# Altium PCB miniBackplane.PcbDoc (part 7 of 24) (continued)
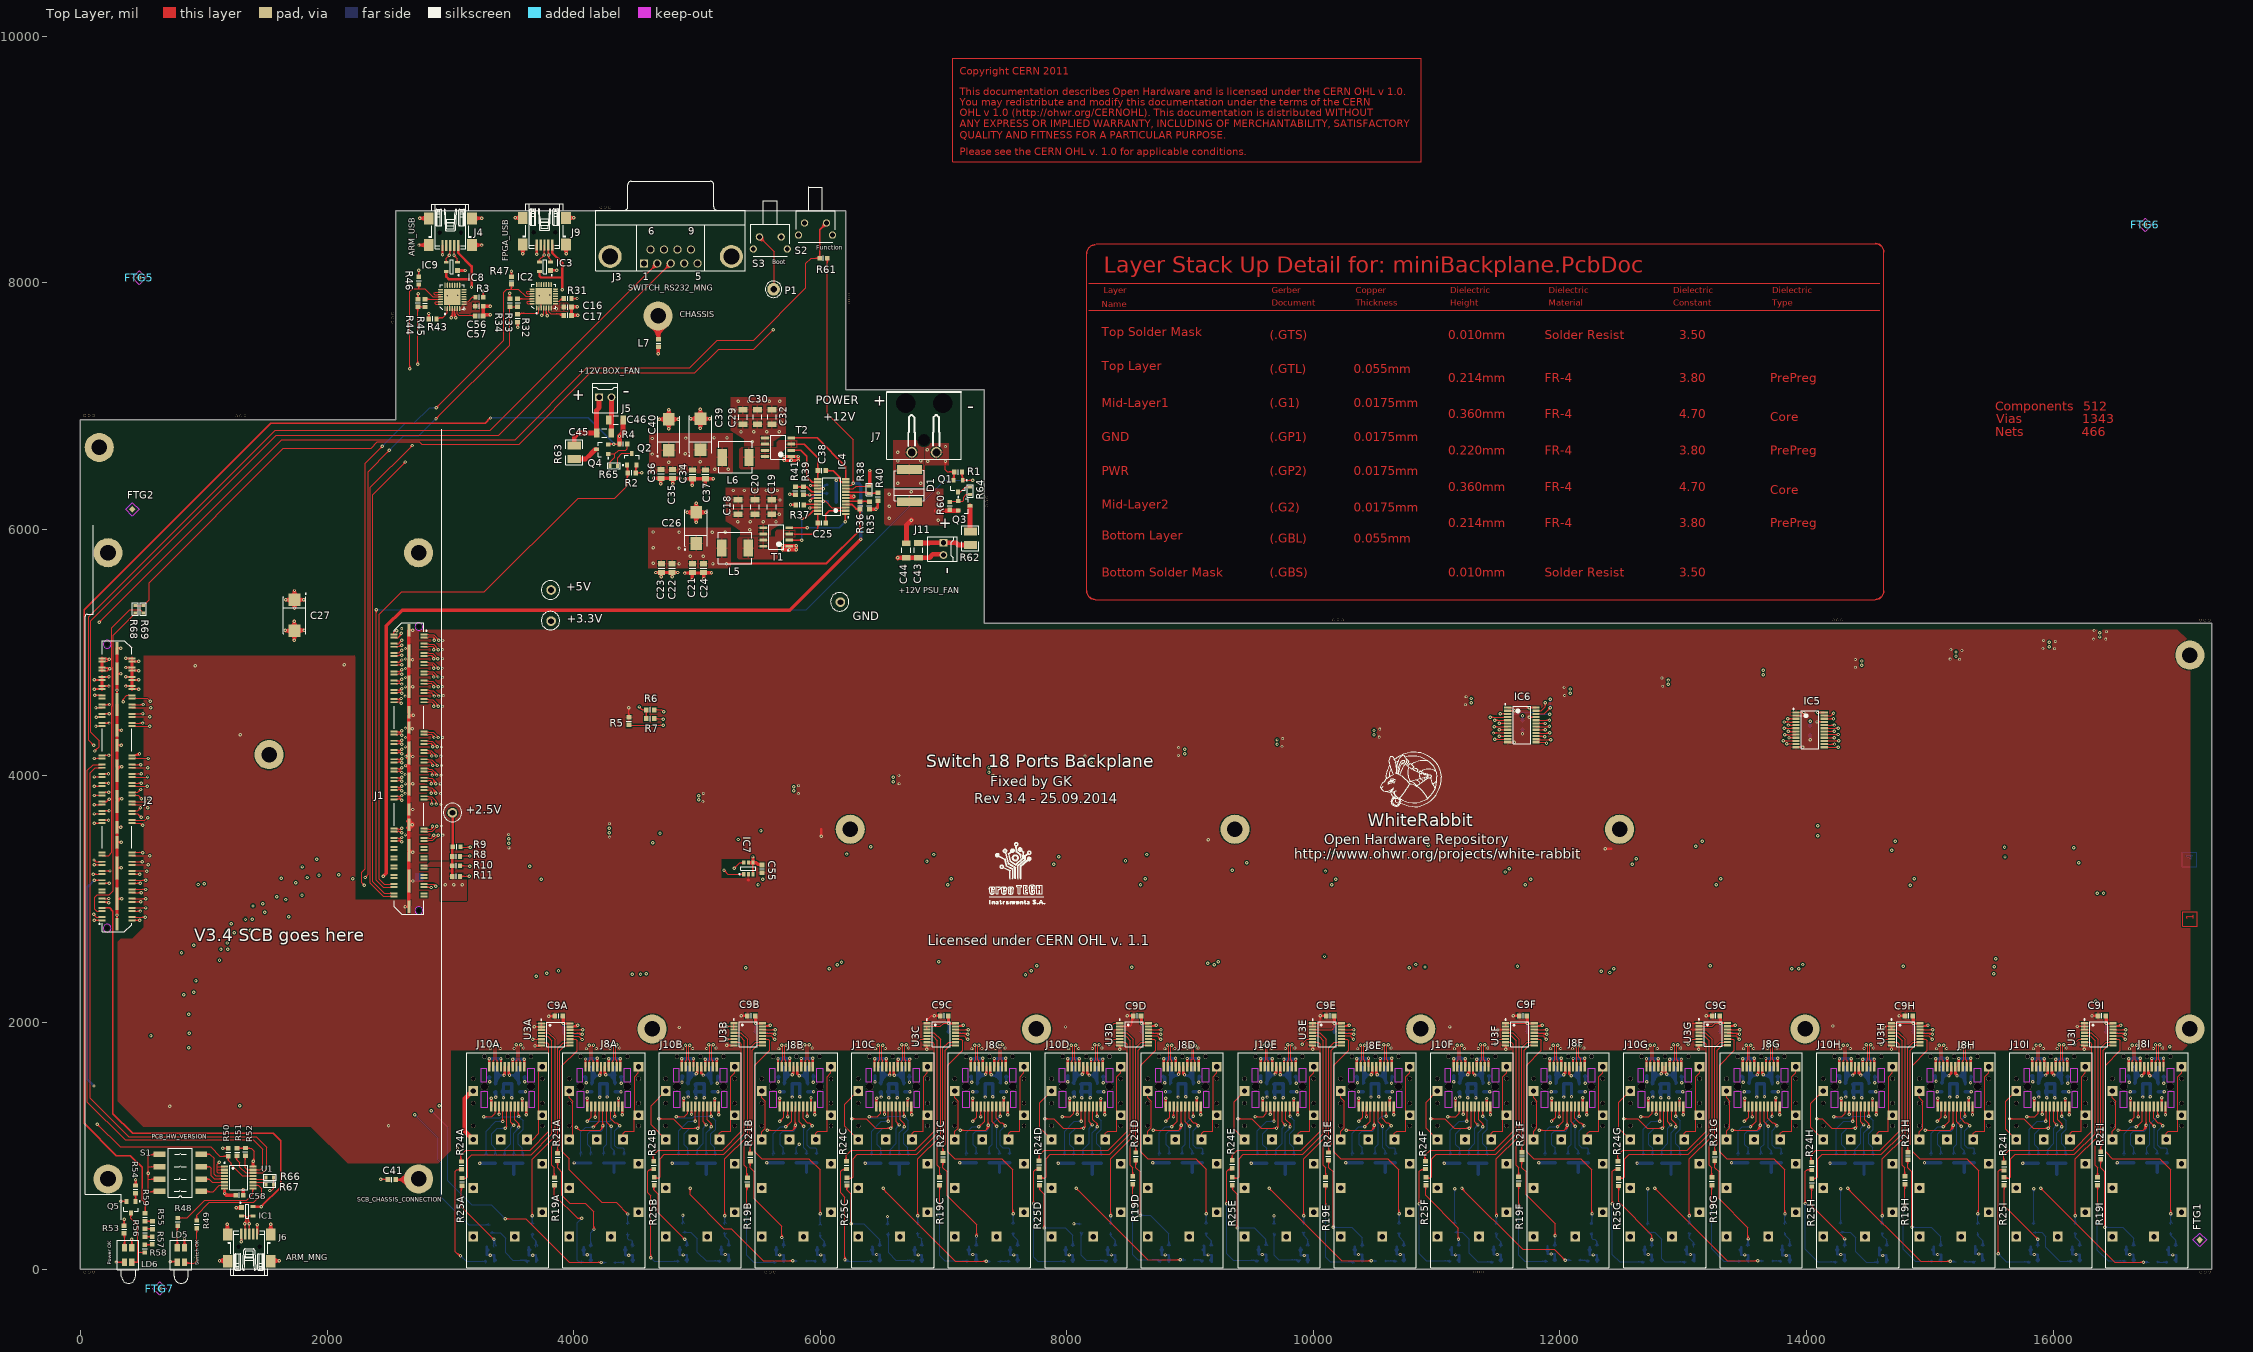
[diagram p0: Top Layer view]
## Nets (pads, with @x,y where several pads share a name; then routed paths per layer and width w, separated by ;. In a path a pad name is that pad's centre, name@x,y a point inside that pad or via, vN(x,y) a via of type N, cw(c..) or ccw(c..) an arc to the next point about the centre after c; other vN are vias at no path point) (continued)
FPGA_GPIO11: J2.60 J8G.2 J8G.8 R12G.1 | length 17015.4
  Top Layer w7.87: J2.60@417.94,4091.29 v1(489.29,4091.29) v1@492,4094 ; v1@13496.35,1201.61 ccw(c13492.58,1220.02) 13510.74,1215.15 ; v1(13496.75,1199.68) 13529.72,1232.65 J8G.2@13529.72,1320.05 ; v1@13498.68,1199.28 cw(c13517.09,1195.51) 13512.23,1213.67 ; v1(13720.69,1238.62) J8G.8@13720.69,1318.06 ; 448.12,4091.29 ccw(c448.12,4081.79) 441.39,4088.51 cw(c448.12,4081.79) 448.12,4091.29 ; 448.12,4091.29 cw(c448.12,4100.8) 441.39,4094.08 ccw(c448.12,4100.8) 448.12,4091.29 ; 465.53,4091.29 ccw(c465.53,4115.05) 482.33,4098.25 cw(c465.53,4115.05) 465.53,4091.29 ; 465.53,4091.29 cw(c465.53,4067.53) 482.33,4084.33 ccw(c465.53,4067.53) 465.53,4091.29 ; 13513.55,1216.48 ccw(c13530.35,1199.68) 13506.59,1199.68 cw(c13530.35,1199.68) 13513.55,1216.48 ; 13513.55,1216.48 cw(c13496.75,1233.28) 13496.75,1209.52 ccw(c13496.75,1233.28) 13513.55,1216.48 ; 13529.72,1274.6 ccw(c13515.47,1274.6) 13525.55,1284.68 cw(c13515.47,1274.6) 13529.72,1274.6 ; 13529.72,1274.6 cw(c13543.98,1274.6) 13533.9,1284.68 ccw(c13543.98,1274.6) 13529.72,1274.6 ; 13720.69,1262.38 ccw(c13744.45,1262.38) 13727.65,1245.58 cw(c13744.45,1262.38) 13720.69,1262.38 ; 13720.69,1262.38 cw(c13696.93,1262.38) 13713.73,1245.58 ccw(c13696.93,1262.38) 13720.69,1262.38 ; J8G.8@13714.52,1284.68 cw(c13699.63,1269.79) 13720.69,1269.79 ccw(c13699.63,1269.79) J8G.8@13714.52,1284.68
  Mid-Layer 1 w7.09: v1(1748.03,3134.84) 2158.46,2724.41 2774.61,2724.41 2935.04,2884.84 8231.3,2884.84 8280.51,2835.63 11140.75,2835.63 11366.14,2610.24 12322.83,2610.24 12473.07,2460 v1(13220.71,2460) ; 1765.51,3117.37 ccw(c1748.03,3099.89) 1748.03,3124.61 cw(c1748.03,3099.89) 1765.51,3117.37 ; 1765.51,3117.37 cw(c1782.98,3134.84) 1758.27,3134.84 ccw(c1782.98,3134.84) 1765.51,3117.37 ; 13196,2460 ccw(c13196,2484.71) 13213.47,2467.24 cw(c13196,2484.71) 13196,2460 ; 13196,2460 cw(c13196,2435.29) 13213.47,2452.76 ccw(c13196,2435.29) 13196,2460
  Mid-Layer 2 w7.09: v1(489.29,4091.29) 489.88,4091.88 790.99,4091.88 v1(1748.03,3134.84) ; v1(13220.71,2460) 13220.71,1899.9 13266.75,1853.86 13266.75,1350.56 13418.68,1198.62 13680.69,1198.62 v1(13720.69,1238.62) ; 1730.56,3152.32 ccw(c1748.03,3169.79) 1748.03,3145.08 cw(c1748.03,3169.79) 1730.56,3152.32 ; 1730.56,3152.32 cw(c1713.08,3134.84) 1737.8,3134.84 ccw(c1713.08,3134.84) 1730.56,3152.32 ; 13220.71,2435.29 ccw(c13196,2435.29) 13213.47,2452.76 cw(c13196,2435.29) 13220.71,2435.29 ; 13220.71,2435.29 cw(c13245.42,2435.29) 13227.95,2452.76 ccw(c13245.42,2435.29) 13220.71,2435.29 ; 13703.22,1221.15 ccw(c13685.74,1238.62) 13710.46,1238.62 cw(c13685.74,1238.62) 13703.22,1221.15 ; 13703.22,1221.15 cw(c13720.69,1203.67) 13720.69,1228.39 ccw(c13720.69,1203.67) 13703.22,1221.15 ; v1@496.53,4084.05 cw(c515.43,4065.15) 515.43,4091.88 ccw(c515.43,4065.15) v1@496.53,4084.05 ; v1@496.53,4098.53 ccw(c512.58,4114.58) 512.58,4091.88 cw(c512.58,4114.58) v1@496.53,4098.53 ; 13469.49,1198.62 ccw(c13469.49,1226.94) 13489.51,1206.92 cw(c13469.49,1226.94) 13469.49,1198.62 ; 13474.58,1198.62 cw(c13474.58,1177.51) 13489.51,1192.44 ccw(c13474.58,1177.51) 13474.58,1198.62 ; v1@13503.99,1192.44 cw(c13518.91,1177.51) 13518.91,1198.62 ccw(c13518.91,1177.51) v1@13503.99,1192.44 ; v1@13503.99,1206.92 ccw(c13524.01,1226.94) 13524.01,1198.62 cw(c13524.01,1226.94) v1@13503.99,1206.92
  Bottom Layer w7.87: R12G.1@13630.69,925.12 13630.69,988.62 13655.69,1013.62 13655.69,1173.62 v1(13720.69,1238.62) ; 13630.69,958.38 ccw(c13663.96,958.38) 13640.44,934.86 cw(c13663.96,958.38) 13630.69,958.38 ; 13630.69,958.38 cw(c13597.43,958.38) 13620.95,934.86 ccw(c13597.43,958.38) 13630.69,958.38 ; 13703.89,1221.82 ccw(c13687.09,1238.62) 13710.85,1238.62 cw(c13687.09,1238.62) 13703.89,1221.82 ; 13703.89,1221.82 cw(c13720.69,1205.02) 13720.69,1228.78 ccw(c13720.69,1205.02) 13703.89,1221.82
FPGA_GPIO12: J2.50 R22F.1 | length 14343.4
  Top Layer w7.87: J2.50@417.94,3916.29 418.53,3915.7 542.7,3915.7 v1(543.29,3916.29) v1@546,3919 ; J2.50@441.39,3913.51 cw(c446.69,3908.21) 446.69,3915.7 ccw(c446.69,3908.21) J2.50@441.39,3913.51 ; J2.50@441.39,3919.08 ccw(c449.54,3927.22) 449.54,3915.7 cw(c449.54,3927.22) J2.50@441.39,3919.08
  Mid-Layer 1 w7.09: v1(1690.94,2858.27) 2034.45,2514.76 2767.72,2514.76 2997.05,2744.09 7994.09,2744.09 8090.55,2647.64 10710.63,2647.64 10829.21,2529.06 v1(10829.21,2470) ; 1708.42,2840.79 ccw(c1690.94,2823.32) 1690.94,2848.03 cw(c1690.94,2823.32) 1708.42,2840.79 ; 1708.42,2840.79 cw(c1725.89,2858.27) 1701.18,2858.27 ccw(c1725.89,2858.27) 1708.42,2840.79 ; 10829.21,2494.71 ccw(c10853.92,2494.71) 10836.45,2477.24 cw(c10853.92,2494.71) 10829.21,2494.71 ; 10829.21,2494.71 cw(c10804.5,2494.71) 10821.97,2477.24 ccw(c10804.5,2494.71) 10829.21,2494.71
  Mid-Layer 2 w7.09: v1(543.29,3916.29) 632.92,3916.29 v1(1690.94,2858.27) ; v1(10829.21,2470) 10829.21,2096.93 10716.54,1984.25 10716.54,1880.57 10876.75,1720.35 10876.75,755.56 10916.75,715.56 11081.75,715.56 v1(11146.75,650.56) ; 568,3916.29 ccw(c568,3891.58) 550.53,3909.05 cw(c568,3891.58) 568,3916.29 ; 568,3916.29 cw(c568,3941) 550.53,3923.53 ccw(c568,3941) 568,3916.29 ; 1673.47,2875.74 ccw(c1690.94,2893.22) 1690.94,2868.5 cw(c1690.94,2893.22) 1673.47,2875.74 ; 1673.47,2875.74 cw(c1656,2858.27) 1680.71,2858.27 ccw(c1656,2858.27) 1673.47,2875.74 ; 10829.21,2445.29 ccw(c10804.5,2445.29) 10821.97,2462.76 cw(c10804.5,2445.29) 10829.21,2445.29 ; 10829.21,2445.29 cw(c10853.92,2445.29) 10836.45,2462.76 ccw(c10853.92,2445.29) 10829.21,2445.29 ; 11129.27,668.03 ccw(c11146.75,685.51) 11146.75,660.8 cw(c11146.75,685.51) 11129.27,668.03 ; 11129.27,668.03 cw(c11111.8,650.56) 11136.51,650.56 ccw(c11111.8,650.56) 11129.27,668.03
  Bottom Layer w7.87: R22F.1@11146.75,362.21 v1(11146.75,650.56) ; 11146.75,626.8 ccw(c11122.99,626.8) 11139.79,643.6 cw(c11122.99,626.8) 11146.75,626.8 ; 11146.75,626.8 cw(c11170.51,626.8) 11153.71,643.6 ccw(c11170.51,626.8) 11146.75,626.8 ; R22F.1@11137.87,371.96 ccw(c11116.44,393.39) 11146.75,393.39 cw(c11116.44,393.39) R22F.1@11137.87,371.96 ; 11146.75,397.57 ccw(c11182.97,397.57) 11157.36,371.96 cw(c11182.97,397.57) 11146.75,397.57
FPGA_GPIO13: J2.16 J10F.2 J10F.8 R26F.1 | length 14394.3
  Top Layer w7.87: J2.16@417.94,3078.79 418.53,3079.38 530.2,3079.38 v1(530.79,3078.79) v1@531,3079 ; v1(11091.75,1235.56) 11156.75,1235.56 11184.72,1263.54 J10F.2@11184.72,1320.05 ; v1@11373.7,1240.61 J10F.8@11373.7,1320.05 ; 11115.51,1235.56 ccw(c11115.51,1211.8) 11098.71,1228.6 cw(c11115.51,1211.8) 11115.51,1235.56 ; 11115.51,1235.56 cw(c11115.51,1259.32) 11098.71,1242.52 ccw(c11115.51,1259.32) 11115.51,1235.56 ; 11184.72,1274.6 ccw(c11170.47,1274.6) 11180.55,1284.68 cw(c11170.47,1274.6) 11184.72,1274.6 ; 11184.72,1274.6 cw(c11198.98,1274.6) 11188.9,1284.68 ccw(c11198.98,1274.6) 11184.72,1274.6 ; 11373.7,1274.6 ccw(c11359.44,1274.6) 11369.52,1284.68 cw(c11359.44,1274.6) 11373.7,1274.6 ; 11373.7,1274.6 cw(c11387.96,1274.6) 11377.88,1284.68 ccw(c11387.96,1274.6) 11373.7,1274.6 ; J2.16@441.39,3076.01 cw(c449.54,3067.86) 449.54,3079.38 ccw(c449.54,3067.86) J2.16@441.39,3076.01 ; J2.16@441.39,3081.58 ccw(c446.69,3086.87) 446.69,3079.38 cw(c446.69,3086.87) J2.16@441.39,3081.58 ; 505.6,3079.38 cw(c505.6,3053.6) 523.83,3071.83 ccw(c505.6,3053.6) 505.6,3079.38 ; 508.46,3079.38 ccw(c508.46,3101.13) 523.83,3085.75 cw(c508.46,3101.13) 508.46,3079.38 ; v1@11368.73,1245.58 ccw(c11356.74,1257.57) 11373.7,1257.57 cw(c11356.74,1257.57) v1@11368.73,1245.58 ; 11373.7,1267.19 ccw(c11404.26,1267.19) 11382.65,1245.58 cw(c11404.26,1267.19) 11373.7,1267.19
  Mid-Layer 1 w7.09: v1(919.29,2246.06) 1547.24,1618.11 2845.47,1618.11 3433.07,2205.71 10391.39,2205.71 10941.75,1655.35 10941.75,1330.56 11036,1236.31 v1@11091,1236.31 ; 936.77,2228.59 ccw(c919.29,2211.11) 919.29,2235.83 cw(c919.29,2211.11) 936.77,2228.59 ; 936.77,2228.59 cw(c954.24,2246.06) 929.53,2246.06 ccw(c954.24,2246.06) 936.77,2228.59 ; 11065.23,1236.31 cw(c11065.23,1209.04) 11084.51,1228.32 ccw(c11065.23,1209.04) 11065.23,1236.31 ; 11068.84,1236.31 ccw(c11068.84,1258.47) 11084.51,1242.8 cw(c11068.84,1258.47) 11068.84,1236.31
  Mid-Layer 2 w7.09: v1(530.79,3078.79) 746,2863.58 746,2419.35 v1(919.29,2246.06) ; v1@11091.75,1228.53 11227.64,1228.53 11237.73,1238.62 v1(11375.69,1238.62) ; v1@11094.31,1233.73 cw(c11103.49,1227.18) 11109.12,1236.94 ; v1@11099.75,1229.18 cw(c11103.95,1225.84) 11106.62,1230.48 cw(c11111.57,1239.05) v1@11101.83,1237.33 ; v1@11100.08,1229.61 cw(c11109.87,1222.63) 11115.88,1233.04 ; 548.27,3061.32 ccw(c530.79,3043.84) 530.79,3068.56 cw(c530.79,3043.84) 548.27,3061.32 ; 548.27,3061.32 cw(c565.74,3078.79) 541.03,3078.79 ccw(c565.74,3078.79) 548.27,3061.32 ; 901.82,2263.54 ccw(c919.29,2281.01) 919.29,2256.3 cw(c919.29,2281.01) 901.82,2263.54 ; 901.82,2263.54 cw(c884.34,2246.06) 909.06,2246.06 ccw(c884.34,2246.06) 901.82,2263.54 ; 11350.98,1238.62 ccw(c11350.98,1263.33) 11368.45,1245.86 cw(c11350.98,1263.33) 11350.98,1238.62 ; 11350.98,1238.62 cw(c11350.98,1213.91) 11368.45,1231.38 ccw(c11350.98,1213.91) 11350.98,1238.62 ; v1@11093.98,1237.79 ccw(c11116.33,1260.14) 11116.33,1228.53 cw(c11116.33,1260.14) v1@11093.98,1237.79 ; v1@11098.99,1242.8 ccw(c11133.44,1277.25) 11133.44,1228.53 cw(c11133.44,1277.25) v1@11098.99,1242.8
  Bottom Layer w7.87: v1(11375.69,1238.62) 11410.69,1203.62 11410.69,1133.62 11373.7,1096.63 11373.7,1014.93 11405.69,982.94 11405.69,928.21 R26F.1@11411.38,922.53 ; 11392.5,1221.82 ccw(c11375.69,1205.02) 11375.69,1228.78 cw(c11375.69,1205.02) 11392.5,1221.82 ; 11392.49,1221.82 cw(c11409.3,1238.62) 11385.54,1238.62 ccw(c11409.3,1238.62) 11392.49,1221.82 ; R26F.1@11399.67,932.27 ccw(c11385.12,946.82) 11405.69,946.82 cw(c11385.12,946.82) R26F.1@11399.67,932.27 ; 11405.69,945.76 ccw(c11432.64,945.76) 11413.59,926.7 cw(c11432.64,945.76) 11405.69,945.76 ; 11405.69,964.77 ccw(c11451.65,964.77) 11419.15,932.27 cw(c11451.65,964.77) 11405.69,964.77
FPGA_GPIO14: J2.52 R17F.1 | length 15729.4
  Top Layer w7.87: J2.52@417.94,3941.29 v1(492.71,3941.29) v1@493,3941 ; v1@11205.17,652.61 cw(c11199.56,632.14) 11220.06,637.63 ; v1(11205.69,654.5) 11205.69,652.56 11696.83,161.43 11952.73,161.43 v1(12043.28,70.87) ; 12027.81,84.86 cw(c12022.94,66.71) v1@12041.35,70.48 ; 12029.29,86.35 ccw(c12047.45,91.22) v1@12043.68,72.8 ; 448.12,3941.29 ccw(c448.12,3931.79) 441.39,3938.51 cw(c448.12,3931.79) 448.12,3941.29 ; 448.12,3941.29 cw(c448.12,3950.8) 441.39,3944.08 ccw(c448.12,3950.8) 448.12,3941.29 ; 468.95,3941.29 ccw(c468.95,3965.05) 485.75,3948.25 cw(c468.95,3965.05) 468.95,3941.29 ; 468.95,3941.29 cw(c468.95,3917.53) 485.75,3934.33 ccw(c468.95,3917.53) 468.95,3941.29 ; 12026.48,87.68 ccw(c12043.28,104.48) 12043.28,80.72 cw(c12043.28,104.48) 12026.48,87.68 ; 12026.48,87.68 cw(c12009.68,70.87) 12033.44,70.87 ccw(c12009.68,70.87) 12026.48,87.68 ; v1@11205.69,644.66 cw(c11205.69,625.59) 11219.17,639.08 ccw(c11205.69,625.59) v1@11205.69,644.66 ; v1@11215.54,654.5 ccw(c11243.99,654.5) 11223.87,634.38 cw(c11243.99,654.5) v1@11215.54,654.5
  Mid-Layer 1 w7.09: v1@1589.57,3016.73 2062.01,2544.29 2760.83,2544.29 2989.17,2772.64 8027.56,2772.64 8121.06,2679.13 10730.31,2679.13 10905.71,2503.74 v1(10905.71,2450) ; v1@1592.79,3022.43 cw(c1587.31,3006.09) 1603.95,3010.55 ; 10905.71,2474.71 ccw(c10930.42,2474.71) 10912.95,2457.24 cw(c10930.42,2474.71) 10905.71,2474.71 ; 10905.71,2474.71 cw(c10881,2474.71) 10898.47,2457.24 ccw(c10881,2474.71) 10905.71,2474.71 ; v1@1591.54,3008.46 cw(c1591.54,2993.26) 1602.29,3004.01 ccw(c1591.54,2993.26) v1@1591.54,3008.46 ; v1@1594.68,3018.7 ccw(c1611.79,3018.7) 1599.7,3006.6 cw(c1611.79,3018.7) v1@1594.68,3018.7 ; v1@1601.77,3018.7 ccw(c1635.99,3018.7) 1611.79,2994.51 cw(c1635.99,3018.7) v1@1601.77,3018.7
  Mid-Layer 2 w7.09: v1(492.71,3941.29) 493.3,3941.88 668.35,3941.88 v1(1591.54,3018.7) ; v1(10905.71,2450) 10905.71,2117.91 11007.87,2015.75 11007.87,1814.99 10901.75,1708.87 10901.75,770.56 10930.5,741.81 11120.5,741.81 v1@11206.75,655.56 ; 11193.45,662 ccw(c11208.92,666.14) v1@11204.64,650.71 ; 1574.06,3036.18 ccw(c1591.54,3053.65) 1591.54,3028.94 cw(c1591.54,3053.65) 1574.06,3036.18 ; 1574.06,3036.18 cw(c1556.59,3018.7) 1581.3,3018.7 ccw(c1556.59,3018.7) 1574.06,3036.18 ; 10905.71,2425.29 ccw(c10881,2425.29) 10898.47,2442.76 cw(c10881,2425.29) 10905.71,2425.29 ; 10905.71,2425.29 cw(c10930.42,2425.29) 10912.95,2442.76 ccw(c10930.42,2425.29) 10905.71,2425.29 ; v1@499.95,3934.05 cw(c518.85,3915.15) 518.85,3941.88 ccw(c518.85,3915.15) v1@499.95,3934.05 ; v1@499.95,3948.53 ccw(c516,3964.58) 516,3941.88 cw(c516,3964.58) v1@499.95,3948.53 ; 11186.73,675.58 cw(c11165.65,654.5) 11195.46,654.5 ccw(c11165.65,654.5) 11186.73,675.58 ; 11191.82,670.49 ccw(c11205.69,684.36) 11205.69,664.74 cw(c11205.69,684.36) 11191.82,670.49
  Bottom Layer w7.87: v1(12043.28,70.87) R17F.1@12090.53,70.87 ; v1@12049.09,78.82 ccw(c12061.03,95.18) 12066.27,75.62 ; v1@12049.09,78.82 ccw(c12061.03,95.18) 12066.27,75.62 ; v1@12049.09,78.82 ccw(c12061.03,95.18) 12066.27,75.62 ; v1@12051.81,65.95 cw(c12068.34,56.41) 12063.4,74.85 ; v1@12051.81,65.95 cw(c12068.34,56.41) 12063.4,74.85 ; v1@12051.81,65.95 cw(c12068.34,56.41) 12063.4,74.85 ; 12067.05,70.87 ccw(c12067.05,47.11) 12050.24,63.91 cw(c12067.05,47.11) 12067.05,70.87 ; 12067.05,70.87 cw(c12067.05,94.64) 12050.24,77.83 ccw(c12067.05,94.64) 12067.05,70.87 ; v1@12048.57,70.87 ccw(c12048.57,110.86) 12076.85,82.59 cw(c12048.57,110.86) v1@12048.57,70.87 ; 12058.08,70.87 cw(c12058.08,44.33) 12076.85,63.1 ccw(c12058.08,44.33) 12058.08,70.87 ; 12067.58,70.87 ccw(c12067.58,91.85) 12082.41,77.02 cw(c12067.58,91.85) 12067.58,70.87
FPGA_GPIO15: J2.54 J8F.2 J8F.8 R12F.1 | length 15386.5
  Top Layer w7.87: J2.54@417.94,3991.29 418.53,3990.7 543.7,3990.7 v1(544.29,3991.29) v1@546,3993 ; v1@11931.35,1201.61 ccw(c11927.58,1220.02) 11945.74,1215.15 ; v1(11931.75,1199.68) 11964.72,1232.65 J8F.2@11964.72,1320.05 ; v1@11933.68,1199.28 cw(c11952.09,1195.51) 11947.23,1213.67 ; v1(12155.69,1238.62) J8F.8@12155.69,1318.06 ; 11948.55,1216.48 ccw(c11965.35,1199.68) 11941.59,1199.68 cw(c11965.35,1199.68) 11948.55,1216.48 ; 11948.55,1216.48 cw(c11931.75,1233.28) 11931.75,1209.52 ccw(c11931.75,1233.28) 11948.55,1216.48 ; 11964.72,1274.6 ccw(c11950.47,1274.6) 11960.55,1284.68 cw(c11950.47,1274.6) 11964.72,1274.6 ; 11964.72,1274.6 cw(c11978.98,1274.6) 11968.9,1284.68 ccw(c11978.98,1274.6) 11964.72,1274.6 ; 12155.69,1262.38 ccw(c12179.45,1262.38) 12162.65,1245.58 cw(c12179.45,1262.38) 12155.69,1262.38 ; 12155.69,1262.38 cw(c12131.93,1262.38) 12148.73,1245.58 ccw(c12131.93,1262.38) 12155.69,1262.38 ; J2.54@441.39,3988.51 cw(c446.69,3983.21) 446.69,3990.7 ccw(c446.69,3983.21) J2.54@441.39,3988.51 ; J2.54@441.39,3994.08 ccw(c449.54,4002.22) 449.54,3990.7 cw(c449.54,4002.22) J2.54@441.39,3994.08 ; J8F.8@12149.52,1284.68 cw(c12134.63,1269.79) 12155.69,1269.79 ccw(c12134.63,1269.79) J8F.8@12149.52,1284.68
  Mid-Layer 1 w7.09: v1(1665.35,2997.05) 2080.71,2581.69 2765.75,2581.69 2982.28,2798.23 8077.76,2798.23 8169.29,2706.69 11037.4,2706.69 11289.09,2455 v1(11655.71,2455) ; 1682.83,2979.57 ccw(c1665.35,2962.1) 1665.35,2986.81 cw(c1665.35,2962.1) 1682.83,2979.57 ; 1682.83,2979.57 cw(c1700.3,2997.05) 1675.59,2997.05 ccw(c1700.3,2997.05) 1682.83,2979.57 ; 11631,2455 ccw(c11631,2479.71) 11648.47,2462.24 cw(c11631,2479.71) 11631,2455 ; 11631,2455 cw(c11631,2430.29) 11648.47,2447.76 ccw(c11631,2430.29) 11631,2455
  Mid-Layer 2 w7.09: v1(544.29,3991.29) 671.11,3991.29 v1(1665.35,2997.05) ; v1@11655.71,2465 v1(11655.71,2455) 11655.71,1899.41 11701.75,1853.37 11701.75,1350.56 11853.68,1198.62 12115.69,1198.62 v1(12155.69,1238.62) ; 569,3991.29 ccw(c569,3966.58) 551.53,3984.05 cw(c569,3966.58) 569,3991.29 ; 569,3991.29 cw(c569,4016) 551.53,3998.53 ccw(c569,4016) 569,3991.29 ; 1647.88,3014.52 ccw(c1665.35,3032) 1665.35,3007.28 cw(c1665.35,3032) 1647.88,3014.52 ; 1647.88,3014.52 cw(c1630.41,2997.05) 1655.12,2997.05 ccw(c1630.41,2997.05) 1647.88,3014.52 ; 11655.71,2430.29 ccw(c11631,2430.29) 11648.47,2447.76 cw(c11631,2430.29) 11655.71,2430.29 ; 11655.71,2430.29 cw(c11680.42,2430.29) 11662.95,2447.76 ccw(c11680.42,2430.29) 11655.71,2430.29 ; 12138.22,1221.15 ccw(c12120.74,1238.62) 12145.46,1238.62 cw(c12120.74,1238.62) 12138.22,1221.15 ; 12138.22,1221.15 cw(c12155.69,1203.67) 12155.69,1228.39 ccw(c12155.69,1203.67) 12138.22,1221.15 ; 11904.49,1198.62 ccw(c11904.49,1226.94) 11924.51,1206.92 cw(c11904.49,1226.94) 11904.49,1198.62 ; 11909.58,1198.62 cw(c11909.58,1177.51) 11924.51,1192.44 ccw(c11909.58,1177.51) 11909.58,1198.62 ; v1@11938.99,1192.44 cw(c11953.91,1177.51) 11953.91,1198.62 ccw(c11953.91,1177.51) v1@11938.99,1192.44 ; v1@11938.99,1206.92 ccw(c11959.01,1226.94) 11959.01,1198.62 cw(c11959.01,1226.94) v1@11938.99,1206.92
  Bottom Layer w7.87: R12F.1@12065.69,925.12 12065.69,988.62 12090.69,1013.62 12090.69,1173.62 v1(12155.69,1238.62) ; 12065.69,958.38 ccw(c12098.96,958.38) 12075.44,934.86 cw(c12098.96,958.38) 12065.69,958.38 ; 12065.69,958.38 cw(c12032.43,958.38) 12055.95,934.86 ccw(c12032.43,958.38) 12065.69,958.38 ; 12138.89,1221.82 ccw(c12122.09,1238.62) 12145.85,1238.62 cw(c12122.09,1238.62) 12138.89,1221.82 ; 12138.89,1221.82 cw(c12155.69,1205.02) 12155.69,1228.78 ccw(c12155.69,1205.02) 12138.89,1221.82
FPGA_GPIO16: J2.44 R22E.1 | length 12730.7
  Top Layer w7.87: J2.44@417.94,3791.29 419.82,3789.41 528.41,3789.41 v1(552,3813) ; J2.44@441.39,3794.08 ccw(c452.66,3805.34) 452.66,3789.41 cw(c452.66,3805.34) J2.44@441.39,3794.08
  Mid-Layer 1 w7.09: v1(1399.61,2944.88) 2011.81,2332.68 2716.54,2332.68 3041.34,2657.48 6022.62,2657.48 6126.99,2657.48 7836.61,2657.48 7950.79,2543.31 9122.05,2543.31 v1(9196.85,2468.5) ; 1417.08,2927.41 ccw(c1399.61,2909.93) 1399.61,2934.65 cw(c1399.61,2909.93) 1417.08,2927.41 ; 1417.08,2927.41 cw(c1434.55,2944.88) 1409.84,2944.88 ccw(c1434.55,2944.88) 1417.08,2927.41 ; 9179.38,2485.98 ccw(c9196.85,2503.45) 9196.85,2478.74 cw(c9196.85,2503.45) 9179.38,2485.98 ; 9179.38,2485.98 cw(c9161.9,2468.5) 9186.61,2468.5 ccw(c9161.9,2468.5) 9179.38,2485.98
  Mid-Layer 2 w7.09: v1(552,3813) 596,3813 1399.61,3009.39 v1(1399.61,2944.88) ; v1(9196.85,2468.5) 9196.85,1839 9276,1759.85 9276,1180.42 9312.18,1144.24 9312.18,755.56 9352.18,715.56 9517.18,715.56 9582.18,650.56 9582.18,531.99 v1(9681.1,433.07) ; 576.71,3813 ccw(c576.71,3788.29) 559.24,3805.76 cw(c576.71,3788.29) 576.71,3813 ; 576.71,3813 cw(c576.71,3837.71) 559.24,3820.24 ccw(c576.71,3837.71) 576.71,3813 ; 1399.61,2969.59 ccw(c1424.32,2969.59) 1406.84,2952.12 cw(c1424.32,2969.59) 1399.61,2969.59 ; 1399.61,2969.59 cw(c1374.89,2969.59) 1392.37,2952.12 ccw(c1374.89,2969.59) 1399.61,2969.59 ; 9196.85,2443.79 ccw(c9172.14,2443.79) 9189.61,2461.27 cw(c9172.14,2443.79) 9196.85,2443.79 ; 9196.85,2443.79 cw(c9221.56,2443.79) 9204.09,2461.27 ccw(c9221.56,2443.79) 9196.85,2443.79 ; 9663.63,450.55 ccw(c9681.1,468.02) 9681.1,443.31 cw(c9681.1,468.02) 9663.63,450.55 ; 9663.63,450.55 cw(c9646.15,433.07) 9670.87,433.07 ccw(c9646.15,433.07) 9663.63,450.55
  Bottom Layer w7.87: R22E.1@9681.1,358.27 v1(9681.1,433.07) ; 9681.1,391.53 ccw(c9714.37,391.53) 9690.85,368.01 cw(c9714.37,391.53) 9681.1,391.53 ; 9681.1,391.53 cw(c9647.84,391.53) 9671.36,368.01 ccw(c9647.84,391.53) 9681.1,391.53 ; 9681.1,409.31 ccw(c9657.34,409.31) 9674.14,426.11 cw(c9657.34,409.31) 9681.1,409.31 ; 9681.1,409.31 cw(c9704.86,409.31) 9688.06,426.11 ccw(c9704.86,409.31) 9681.1,409.31
FPGA_GPIO17: J2.14 J10E.2 J10E.8 R26E.1 | length 12880.5
  Top Layer w7.87: J2.14@417.94,3053.79 v1(492.79,3053.79) ; v1(9527.18,1235.56) 9592.18,1235.56 9620.16,1263.54 J10E.2@9620.16,1320.05 ; v1@9809.13,1240.61 J10E.8@9809.13,1320.05 ; 448.12,3053.79 ccw(c448.12,3044.29) 441.39,3051.01 cw(c448.12,3044.29) 448.12,3053.79 ; 448.12,3053.79 cw(c448.12,3063.3) 441.39,3056.58 ccw(c448.12,3063.3) 448.12,3053.79 ; 469.03,3053.79 ccw(c469.03,3077.55) 485.83,3060.75 cw(c469.03,3077.55) 469.03,3053.79 ; 469.03,3053.79 cw(c469.03,3030.03) 485.83,3046.83 ccw(c469.03,3030.03) 469.03,3053.79 ; 9550.94,1235.56 ccw(c9550.94,1211.8) 9534.14,1228.6 cw(c9550.94,1211.8) 9550.94,1235.56 ; 9550.94,1235.56 cw(c9550.94,1259.32) 9534.14,1242.52 ccw(c9550.94,1259.32) 9550.94,1235.56 ; 9620.16,1274.6 ccw(c9605.9,1274.6) 9615.98,1284.68 cw(c9605.9,1274.6) 9620.16,1274.6 ; 9620.16,1274.6 cw(c9634.41,1274.6) 9624.33,1284.68 ccw(c9634.41,1274.6) 9620.16,1274.6 ; 9809.13,1274.6 ccw(c9794.88,1274.6) 9804.96,1284.68 cw(c9794.88,1274.6) 9809.13,1274.6 ; 9809.13,1274.6 cw(c9823.39,1274.6) 9813.31,1284.68 ccw(c9823.39,1274.6) 9809.13,1274.6 ; v1@9804.17,1245.58 ccw(c9792.17,1257.57) 9809.13,1257.57 cw(c9792.17,1257.57) v1@9804.17,1245.58 ; 9809.13,1267.19 ccw(c9839.7,1267.19) 9818.09,1245.58 cw(c9839.7,1267.19) 9809.13,1267.19
  Mid-Layer 1 w7.09: v1(838.58,2226.38) 1513.78,1551.18 2862.2,1551.18 3471.46,2160.43 8875.42,2160.43 9377.18,1658.67 9377.18,1330.56 9471.43,1236.31 v1@9526.43,1236.31 ; 856.06,2208.9 ccw(c838.58,2191.43) 838.58,2216.14 cw(c838.58,2191.43) 856.06,2208.9 ; 856.06,2208.9 cw(c873.53,2226.38) 848.82,2226.38 ccw(c873.53,2226.38) 856.06,2208.9 ; 9500.66,1236.31 cw(c9500.66,1209.04) 9519.94,1228.32 ccw(c9500.66,1209.04) 9500.66,1236.31 ; 9504.27,1236.31 ccw(c9504.27,1258.47) 9519.94,1242.8 cw(c9504.27,1258.47) 9504.27,1236.31
  Mid-Layer 2 w7.09: v1(492.79,3053.79) 493.38,3053.2 527.8,3053.2 720,2861 720,2375 838.58,2256.42 v1(838.58,2226.38) ; v1@9527.18,1228.53 9663.07,1228.53 9673.16,1238.62 v1(9811.13,1238.62) ; v1@9529.74,1233.73 cw(c9538.92,1227.18) 9544.56,1236.94 ; v1@9535.19,1229.18 cw(c9539.38,1225.84) 9542.06,1230.48 cw(c9547,1239.05) v1@9537.26,1237.33 ; v1@9535.51,1229.61 cw(c9545.3,1222.63) 9551.32,1233.04 ; 838.58,2251.09 ccw(c863.3,2251.09) 845.82,2233.62 cw(c863.3,2251.09) 838.58,2251.09 ; 838.58,2251.09 cw(c813.87,2251.09) 831.34,2233.62 ccw(c813.87,2251.09) 838.58,2251.09 ; 9786.41,1238.62 ccw(c9786.41,1263.33) 9803.89,1245.86 cw(c9786.41,1263.33) 9786.41,1238.62 ; 9786.41,1238.62 cw(c9786.41,1213.91) 9803.89,1231.38 ccw(c9786.41,1213.91) 9786.41,1238.62 ; v1@500.03,3046.55 cw(c516.08,3030.5) 516.08,3053.2 ccw(c516.08,3030.5) v1@500.03,3046.55 ; v1@500.03,3061.03 ccw(c518.93,3079.93) 518.93,3053.2 cw(c518.93,3079.93) v1@500.03,3061.03 ; v1@9529.41,1237.79 ccw(c9551.76,1260.14) 9551.76,1228.53 cw(c9551.76,1260.14) v1@9529.41,1237.79 ; v1@9534.42,1242.8 ccw(c9568.87,1277.25) 9568.87,1228.53 cw(c9568.87,1277.25) v1@9534.42,1242.8
  Bottom Layer w7.87: v1(9811.13,1238.62) 9846.13,1203.62 9846.13,1133.62 9809.13,1096.63 9809.13,1014.93 9841.13,982.94 9841.13,928.21 R26E.1@9846.81,922.53 ; 9827.93,1221.82 ccw(c9811.13,1205.02) 9811.13,1228.78 cw(c9811.13,1205.02) 9827.93,1221.82 ; 9827.93,1221.82 cw(c9844.73,1238.62) 9820.97,1238.62 ccw(c9844.73,1238.62) 9827.93,1221.82 ; R26E.1@9835.1,932.27 ccw(c9820.55,946.82) 9841.13,946.82 cw(c9820.55,946.82) R26E.1@9835.1,932.27 ; 9841.13,945.76 ccw(c9868.07,945.76) 9849.02,926.7 cw(c9868.07,945.76) 9841.13,945.76 ; 9841.13,964.77 ccw(c9887.08,964.77) 9854.59,932.27 cw(c9887.08,964.77) 9841.13,964.77
FPGA_GPIO18: J2.46 R17E.1 | length 14144.5
  Top Layer w7.87: J2.46@417.94,3841.29 468.71,3841.29 v1(495,3815) ; 479.52,3828.99 cw(c474.66,3810.83) v1@493.07,3814.61 ; 481.01,3830.48 ccw(c499.17,3835.34) v1@495.39,3816.93 ; v1@9640.73,652.58 cw(c9636.96,634.16) 9655.12,639.03 ; v1(9641.13,654.5) 10228.69,66.94 v1(10468.91,66.94) ; v1@9643.05,654.9 ccw(c9661.47,658.67) 9656.6,640.51 ; 448.12,3841.29 ccw(c448.12,3831.79) 441.39,3838.51 cw(c448.12,3831.79) 448.12,3841.29 ; 448.12,3841.29 cw(c448.12,3850.8) 441.39,3844.08 ccw(c448.12,3850.8) 448.12,3841.29 ; 478.2,3831.8 ccw(c495,3848.6) 495,3824.84 cw(c495,3848.6) 478.2,3831.8 ; 478.2,3831.8 cw(c461.4,3815) 485.16,3815 ccw(c461.4,3815) 478.2,3831.8 ; 9657.93,637.7 ccw(c9641.13,620.9) 9641.13,644.66 cw(c9641.13,620.9) 9657.93,637.7 ; 9657.93,637.7 cw(c9674.73,654.5) 9650.97,654.5 ccw(c9674.73,654.5) 9657.93,637.7 ; 10445.15,66.94 ccw(c10445.15,90.7) 10461.95,73.9 cw(c10445.15,90.7) 10445.15,66.94 ; 10445.15,66.94 cw(c10445.15,43.17) 10461.95,59.98 ccw(c10445.15,43.17) 10445.15,66.94
  Mid-Layer 1 w7.09: v1(1496.06,2892.72) 2014.76,2374.02 2723.43,2374.02 3031.5,2682.09 6007.24,2682.09 6016.1,2673.23 6133.51,2673.23 7876.97,2673.23 7984.25,2565.94 9158.46,2565.94 v1@9228.35,2496.06 ; 9215.93,2500.27 ccw(c9232.58,2504.73) v1@9227.09,2488.39 ; 1513.54,2875.24 ccw(c1496.06,2857.77) 1496.06,2882.48 cw(c1496.06,2857.77) 1513.54,2875.24 ; 1513.54,2875.24 cw(c1531.01,2892.72) 1506.3,2892.72 ccw(c1531.01,2892.72) 1513.54,2875.24 ; 9208.09,2516.32 cw(c9183.89,2492.13) 9218.11,2492.13 ccw(c9183.89,2492.13) 9208.09,2516.32 ; 9217.59,2506.82 ccw(c9228.35,2517.57) 9228.35,2502.36 cw(c9228.35,2517.57) 9217.59,2506.82 ; 9220.19,2504.22 cw(c9208.09,2492.13) 9225.2,2492.13 ccw(c9208.09,2492.13) 9220.19,2504.22
  Mid-Layer 2 w7.09: v1(495,3815) 534,3854 600,3854 1433,3021 1433,2955.78 v1(1496.06,2892.72) ; v1(9228.35,2492.13) 9228.35,1866.14 9307.18,1787.31 9307.18,1504.79 9319.31,1492.66 9319.31,1242.18 9337.18,1224.31 9337.18,770.56 9365.93,741.81 9555.93,741.81 v1@9642.18,655.56 ; 9628.88,662 ccw(c9644.35,666.14) v1@9640.07,650.71 ; 512.47,3832.47 ccw(c529.95,3815) 505.24,3815 cw(c529.95,3815) 512.47,3832.47 ; 512.47,3832.47 cw(c495,3849.95) 495,3825.24 ccw(c495,3849.95) 512.47,3832.47 ; 1478.59,2910.19 ccw(c1496.06,2927.67) 1496.06,2902.95 cw(c1496.06,2927.67) 1478.59,2910.19 ; 1478.59,2910.19 cw(c1461.11,2892.72) 1485.83,2892.72 ccw(c1461.11,2892.72) 1478.59,2910.19 ; 9228.35,2467.41 ccw(c9203.63,2467.41) 9221.11,2484.89 cw(c9203.63,2467.41) 9228.35,2467.41 ; 9228.35,2467.41 cw(c9253.06,2467.41) 9235.58,2484.89 ccw(c9253.06,2467.41) 9228.35,2467.41 ; 9622.16,675.58 cw(c9601.08,654.5) 9630.89,654.5 ccw(c9601.08,654.5) 9622.16,675.58 ; 9627.25,670.49 ccw(c9641.13,684.36) 9641.13,664.74 cw(c9641.13,684.36) 9627.25,670.49
  Bottom Layer w7.87: v1(10468.91,66.94) R17E.1@10516.16,66.94 ; v1@10475.63,59.75 cw(c10486.95,47.64) 10491.24,63.64 ; v1@10475.63,59.75 cw(c10486.95,47.64) 10491.24,63.64 ; v1@10475.63,59.75 cw(c10486.95,47.64) 10491.24,63.64 ; v1@10475.63,74.13 ccw(c10486.95,86.24) 10491.24,70.23 ; v1@10475.63,74.13 ccw(c10486.95,86.24) 10491.24,70.23 ; v1@10475.63,74.13 ccw(c10486.95,86.24) 10491.24,70.23 ; v1@10477.44,62.02 cw(c10490.33,54.57) 10486.48,68.95 ; v1@10477.44,62.02 cw(c10490.33,54.57) 10486.48,68.95 ; v1@10477.44,62.02 cw(c10490.33,54.57) 10486.48,68.95 ; v1@10477.44,71.86 ccw(c10490.33,79.3) 10486.48,64.92 ; v1@10477.44,71.86 ccw(c10490.33,79.3) 10486.48,64.92 ; v1@10477.44,71.86 ccw(c10490.33,79.3) 10486.48,64.92 ; v1@10478.95,66.94 ccw(c10478.95,100.2) 10502.48,76.68 cw(c10478.95,100.2) v1@10478.95,66.94 ; v1@10478.95,66.94 cw(c10478.95,33.67) 10502.48,57.19 ccw(c10478.95,33.67) v1@10478.95,66.94 ; 10492.68,66.94 ccw(c10492.68,43.17) 10475.87,59.98 cw(c10492.68,43.17) 10492.68,66.94 ; 10492.68,66.94 cw(c10492.68,90.7) 10475.87,73.9 ccw(c10492.68,90.7) 10492.68,66.94